# Altium PCB DAC_Sources.PcbDoc (part 4 of 8) (continued)
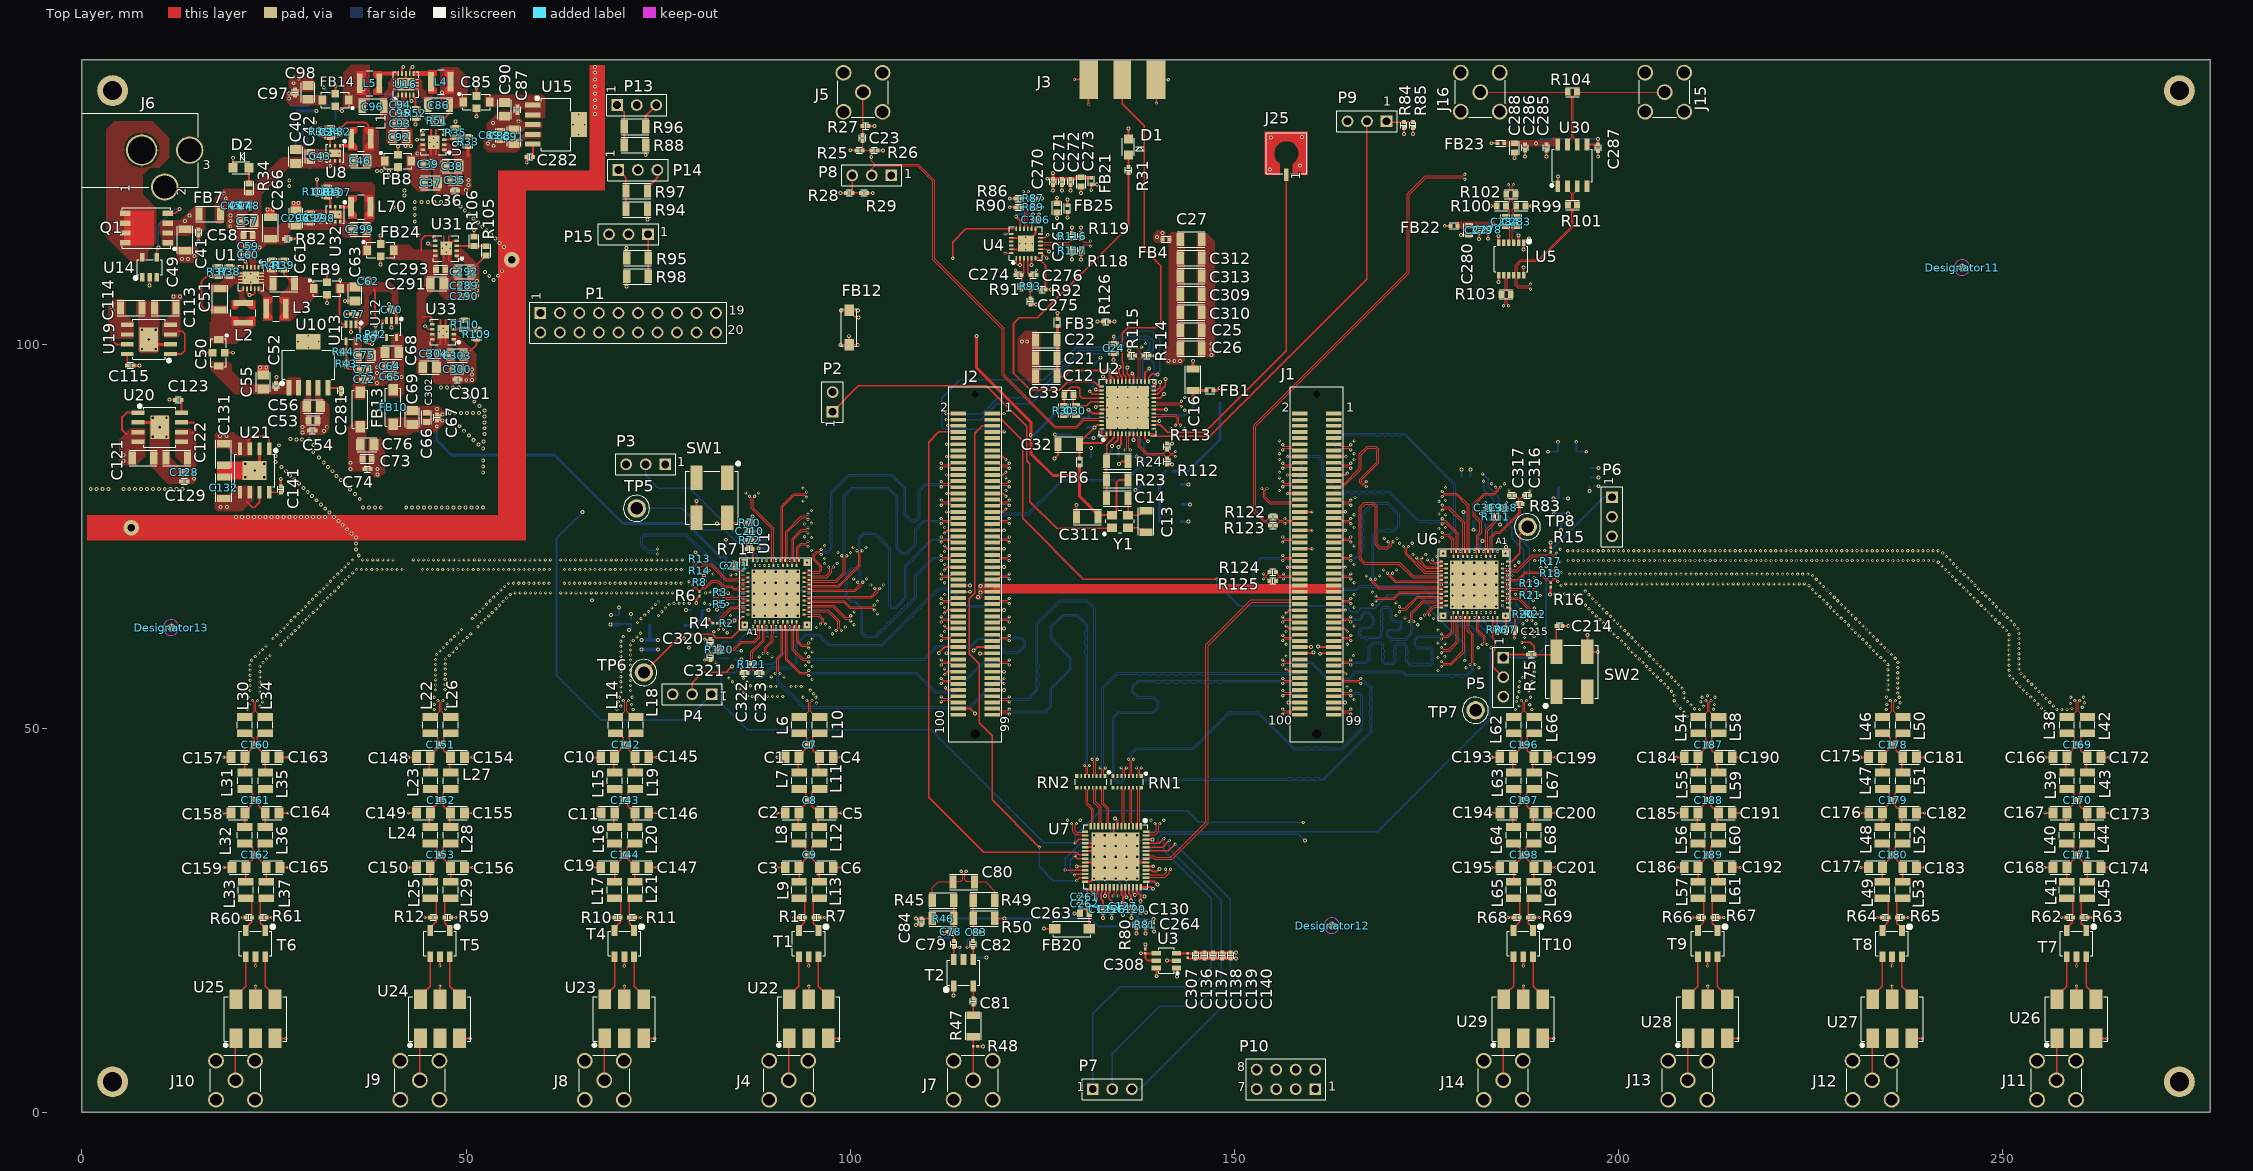
[diagram p0: Top Layer view]
## Nets (pads, with @x,y where several pads share a name; then routed paths per layer and width w, separated by ;. In a path a pad name is that pad's centre, name@x,y a point inside that pad or via, vN(x,y) a via of type N, cw(c..) or ccw(c..) an arc to the next point about the centre after c; other vN are vias at no path point) (continued)
  Bottom Layer w0.381: C105.2@28.01,130.41 28.06,130.36 U17.2@29.41,130.36 v2(30.54,130.36) ; R56.1@32.23,132.56 R56.1@32.23,132.66 ; C314.2@143.03,76.94 v2@144.07,76.94 ; C315.2@143.03,81.74 v2@144.07,81.74 ; C29.2@143.19,79.14 v2@144.23,79.14
  Bottom Layer w0.508: v2(72.82,60.27) C205.2@73.9,60.27 v2(74.98,60.27)
  other v1: 128.288,38.04 129.948,38.04 139.152,38.04 140.812,38.04 256.451,51.259 208.911,51.554 255.984,51.726 208.539,52.1 255.517,52.193 21.58,52.46 45.87,52.46 69.648,52.46 71.774,52.46 186.579,52.46 188.712,52.46 210.548,52.46 234.843,52.46 257.048,52.459 257.709,52.46 258.369,52.46 212.35,52.478 47.319,52.536 209.893,52.544 208.072,52.567 259.016,52.593 255.05,52.66 236.35,52.722 260.35,52.736 23.192,52.875 70.147,52.892 211.052,52.887 187.052,52.921 256.581,52.926 209.426,53.011 207.605,53.034 188.437,53.061 21.776,53.09 71.555,53.083 45.873,53.12 212.498,53.122 234.908,53.117 254.583,53.126 47.512,53.167 258.814,53.222 95.62,53.279 236.636,53.318 260.64,53.329 256.114,53.393 23.526,53.445 69.81,53.46 208.959,53.478 210.716,53.456 186.71,53.486 207.246,53.588 254.116,53.593 165.587,53.737 255.647,53.86 208.511,53.963 21.713,54.034 23.372,54.034 45.839,54.034 47.499,54.034 69.966,54.034 71.626,54.034 93.871,54.034 95.531,54.034 186.871,54.034 188.531,54.034 210.871,54.034 212.531,54.034 234.871,54.034 236.531,54.034 258.871,54.034 260.531,54.034 253.649,54.06 87.256,54.159 87.916,54.159 88.576,54.159 89.237,54.159 89.897,54.159 90.558,54.159 91.218,54.159 86.598,54.22 211.564,54.233 207.24,54.248 255.18,54.327 95.249,54.496 253.182,54.527 236.336,54.589 208.511,54.623 86.109,54.664 23.178,54.719 70.161,54.732 187.065,54.753 254.713,54.794 206.9,54.814 188.336,54.883 71.432,54.918 21.907,54.93 46.034,54.978 235.065,54.973 94.798,54.979 252.715,54.994 47.305,55.055 85.642,55.131 208.273,55.239 236.336,55.25 206.433,55.281 254.246,55.261 23.178,55.379 164.66,55.37 70.161,55.392 87.685,55.43 88.346,55.43 89.006,55.43 89.667,55.43 90.327,55.43 92.308,55.43 92.969,55.43 93.629,55.43 187.065,55.414 252.248,55.461 87.034,55.537 188.336,55.543 71.432,55.578 21.907,55.591 85.175,55.598 46.034,55.638 235.065,55.633 207.806,55.706 47.305,55.716 253.779,55.728 205.966,55.748 236.336,55.91 251.781,55.928 86.567,56.004 23.178,56.039 70.161,56.053 84.708,56.065 188.744,56.063 187.087,56.074 207.339,56.173 253.312,56.195 205.499,56.215 71.432,56.239 21.907,56.251 46.034,56.299 235.065,56.294 95.05,56.36 47.305,56.376 251.314,56.395 86.1,56.471 84.241,56.532 236.336,56.57 187.484,56.601 206.872,56.64 189.025,56.661 252.845,56.662 23.178,56.7 89.73,56.7 91.39,56.7 205.032,56.682 70.161,56.713 71.432,56.899 250.877,56.89 21.907,56.911 46.034,56.959 235.065,56.954 47.305,57.036 206.405,57.107 252.379,57.128 204.565,57.149 187.755,57.204 236.336,57.231 189.025,57.321 23.178,57.36 70.161,57.373 176.51,57.542 71.432,57.559 250.83,57.549 21.907,57.572 205.938,57.574 46.034,57.619 204.098,57.616 235.065,57.614 47.305,57.697 112.293,57.737 252.101,57.728 187.755,57.864 180.17,57.882 181.83,57.882 236.336,57.891 82.84,57.933 189.025,57.981 23.178,58.021 95.05,58.02 70.161,58.034 205.471,58.041 203.631,58.083 94.17,58.15 71.432,58.22 250.83,58.209 21.907,58.232 46.034,58.28 235.058,58.275 47.305,58.357 252.101,58.388 205.004,58.508 82.535,58.518 187.755,58.525 23.579,58.545 203.164,58.55 236.336,58.552 189.025,58.642 70.161,58.694 234.591,58.742 22.1,58.864 71.432,58.88 250.83,58.87 46.034,58.94 204.537,58.975 24.046,59.012 47.353,59.016 202.697,59.017 252.101,59.049 236.007,59.124 176.51,59.202 234.124,59.209 88.162,59.295 89.822,59.295 22.567,59.331 177.39,59.332 70.161,59.355 156.743,59.397 204.07,59.442 165.53,59.45 24.513,59.479 47.82,59.483 202.23,59.484 71.432,59.541 250.83,59.53 46.149,59.59 235.54,59.591 233.657,59.676 252.101,59.709 23.034,59.798 94.17,59.81 203.603,59.909 48.287,59.95 95.05,59.94 201.763,59.951 70.161,60.015 235.073,60.058 46.606,60.067 233.19,60.143 71.432,60.201 250.83,60.19 23.501,60.265 203.136,60.376 252.101,60.369 48.754,60.417 201.296,60.418 181.738,60.477 183.398,60.477 187.755,60.506 47.073,60.534 234.606,60.525 232.723,60.61 70.161,60.675 23.968,60.732 202.669,60.843 71.432,60.861 250.83,60.851 25.914,60.88 49.221,60.884 200.829,60.885 156.743,60.937 164.707,60.937 177.39,60.992 234.139,60.992 47.54,61.001 252.101,61.03 232.256,61.077 176.51,61.122 202.202,61.31 26.381,61.347 49.688,61.351 70.161,61.336 200.362,61.352 71.763,61.433 48.007,61.468 233.672,61.459 250.83,61.511 231.789,61.544 95.05,61.6 24.902,61.666 252.101,61.69 201.735,61.777 26.848,61.814 50.155,61.818 187.755,61.827 199.895,61.819 72.23,61.9 48.474,61.935 70.458,61.925 233.205,61.926 189.025,61.944 231.322,62.011 25.369,62.133 250.83,62.172 201.268,62.244 27.315,62.281 50.622,62.285 199.428,62.286 97.69,62.3 72.697,62.367 252.101,62.351 232.738,62.393 48.941,62.402 84,62.43 187.755,62.487 230.855,62.478 82.24,62.57 112.293,62.597 156.743,62.597 25.836,62.599 189.025,62.604 200.801,62.711 27.782,62.748 250.481,62.732 198.961,62.753 176.51,62.782 49.408,62.869 232.271,62.86 230.388,62.945 251.989,63.001 26.303,63.066 95.64,63.12 97.3,63.12 99.35,63.18 200.334,63.178 250.014,63.199 28.249,63.215 51.556,63.219 198.494,63.22 231.804,63.327 165.587,63.337 229.921,63.412 100.51,63.483 173.87,63.482 251.532,63.478 26.77,63.533 187.56,63.612 189.22,63.612 199.867,63.645 28.716,63.682 52.023,63.686 198.028,63.687 249.547,63.666 72.326,63.793 231.337,63.793 229.455,63.878 251.065,63.945 27.237,64 199.4,64.111 249.08,64.133 29.183,64.149 52.49,64.153 197.561,64.154 50.809,64.269 72.793,64.26 230.87,64.26 174.26,64.302 175.92,64.302 228.988,64.345 172.21,64.362 250.598,64.412 27.704,64.467 198.933,64.578 248.613,64.6 29.65,64.616 52.956,64.619 197.094,64.621 84.433,64.656 171.05,64.665 75.032,64.702 73.26,64.727 230.403,64.727 51.276,64.736 228.521,64.812 250.131,64.879 103.57,64.89 28.171,64.934 198.466,65.045 30.117,65.083 53.423,65.086 248.146,65.067 196.627,65.088 100.51,65.143 75.499,65.169 51.743,65.203 73.727,65.194 229.936,65.194 228.054,65.279 249.664,65.346 164.44,65.38 28.638,65.401 197.999,65.512 247.679,65.534 30.584,65.55 53.89,65.553 196.16,65.555 75.966,65.636 189.03,65.623 52.21,65.67 74.194,65.661 229.469,65.661 112.293,65.737 165.587,65.737 227.587,65.746 249.197,65.813 29.105,65.868 197.532,65.979 247.212,66.001 31.051,66.017 54.357,66.02 195.693,66.022 167.99,66.072 76.433,66.102 81.75,66.088 74.661,66.128 229.002,66.128 52.677,66.137 227.12,66.213 248.73,66.28 77.068,66.283 77.729,66.283 78.389,66.283 79.049,66.283 81.031,66.283 171.05,66.325 29.572,66.335 197.065,66.446 31.518,66.484 246.745,66.468 54.824,66.487 75.05,66.5 195.226,66.489 103.57,66.55 53.144,66.604 228.535,66.595 226.653,66.68 248.263,66.747 30.039,66.802 196.598,66.913 246.278,66.935 31.985,66.951 55.291,66.954 194.759,66.956 228.068,67.062 53.611,67.071 226.186,67.147 247.796,67.214 30.506,67.269 189.81,67.27 112.293,67.397 165.587,67.397 196.131,67.38 32.452,67.418 55.758,67.421 79.03,67.42 194.292,67.423 245.811,67.402 186.579,67.451 187.24,67.451 191.651,67.465 192.312,67.465 192.972,67.465 193.633,67.465 54.078,67.538 227.601,67.529 56.39,67.615 57.05,67.615 57.711,67.615 58.371,67.615 59.031,67.615 59.692,67.615 60.352,67.615 61.013,67.615 62.333,67.615 62.994,67.615 63.654,67.615 64.315,67.615 64.975,67.615 65.635,67.615 66.296,67.615 66.956,67.615 67.617,67.615 68.277,67.615 68.937,67.615 69.598,67.615 70.258,67.615 70.919,67.615 71.579,67.615 72.239,67.615 72.9,67.615 73.56,67.615 74.221,67.615 74.881,67.615 75.541,67.615 76.202,67.615 76.862,67.615 77.523,67.615 78.183,67.615 81.194,67.606 225.719,67.614 247.329,67.681 30.973,67.736 81.75,67.748 167.99,67.732 195.664,67.847 245.344,67.869 32.919,67.885 54.545,68.005 227.134,67.996 225.252,68.081 246.862,68.148 31.44,68.203 244.877,68.336 33.385,68.352 226.667,68.463 55.012,68.472 224.785,68.548 192.53,68.602 246.395,68.615 102.69,68.65 104.35,68.65 31.907,68.67 33.852,68.819 193.134,68.797 193.794,68.797 194.455,68.797 195.115,68.797 195.776,68.797 196.436,68.797 197.096,68.797 197.757,68.797 198.417,68.797 199.078,68.797 199.738,68.797 200.398,68.797 201.059,68.797 201.719,68.797 202.38,68.797 203.04,68.797 203.7,68.797 204.361,68.797 205.021,68.797 205.682,68.797 206.342,68.797 207.002,68.797 207.663,68.797 208.323,68.797 208.984,68.797 209.644,68.797 210.304,68.797 210.965,68.797 211.625,68.797 212.286,68.797 212.946,68.797 213.606,68.797 214.267,68.797 214.927,68.797 215.588,68.797 216.248,68.797 216.908,68.797 217.569,68.797 218.229,68.797 218.89,68.797 219.55,68.797 220.21,68.797 220.871,68.797 221.531,68.797 222.192,68.797 222.852,68.797 223.512,68.797 224.173,68.797 244.41,68.803 55.542,68.866 56.202,68.885 56.863,68.885 57.523,68.885 58.184,68.885 58.844,68.885 59.504,68.885 60.165,68.885 60.825,68.885 62.806,68.885 63.467,68.885 64.127,68.885 64.788,68.885 65.448,68.885 66.108,68.885 66.769,68.885 67.429,68.885 68.09,68.885 68.75,68.885 69.41,68.885 70.071,68.885 70.731,68.885 71.392,68.885 72.052,68.885 72.712,68.885 73.373,68.885 74.033,68.885 74.694,68.885 75.354,68.885 76.014,68.885 76.675,68.885 77.335,68.885 77.996,68.885 112.293,68.937 165.587,68.937 189.81,68.93 226.2,68.93 79.03,69.08 245.928,69.082 32.374,69.137 79.895,69.232 81.185,69.234 243.943,69.27 34.319,69.286 225.733,69.397 100.47,69.44 102.13,69.44 245.461,69.549 32.841,69.604 188.996,69.627 34.786,69.753 243.476,69.737 167.21,69.832 168.87,69.832 225.266,69.864 84.47,69.967 85.13,70.003 244.994,70.016 33.308,70.071 82.165,70.085 193.599,70.067 194.259,70.067 194.92,70.067 195.58,70.067 196.241,70.067 196.901,70.067 197.561,70.067 198.222,70.067 198.882,70.067 199.543,70.067 200.203,70.067 200.863,70.067 201.524,70.067 202.184,70.067 202.845,70.067 203.505,70.067 204.165,70.067 204.826,70.067 205.486,70.067 206.147,70.067 206.807,70.067 207.467,70.067 208.128,70.067 208.788,70.067 209.449,70.067 210.109,70.067 210.769,70.067 211.43,70.067 212.09,70.067 212.751,70.067 213.411,70.067 214.071,70.067 214.732,70.067 215.392,70.067 216.053,70.067 216.713,70.067 217.373,70.067 218.034,70.067 218.694,70.067 219.355,70.067 220.015,70.067 220.675,70.067 221.336,70.067 221.996,70.067 222.657,70.067 223.317,70.067 223.977,70.067 224.638,70.067 243.009,70.204 35.253,70.22 192.53,70.262 79.17,70.46 244.527,70.483 33.775,70.538 81.698,70.552 169.43,70.622 171.09,70.622 81.044,70.641 35.75,70.655 36.411,70.655 37.071,70.655 37.731,70.655 38.392,70.655 39.052,70.655 39.713,70.655 40.373,70.655 41.033,70.655 41.694,70.655 44.335,70.655 44.996,70.655 45.656,70.655 46.317,70.655 46.977,70.655 47.637,70.655 48.298,70.655 48.958,70.655 49.619,70.655 50.279,70.655 50.939,70.655 51.6,70.655 52.26,70.655 52.921,70.655 53.581,70.655 54.241,70.655 54.902,70.655 55.562,70.655 56.223,70.655 56.883,70.655 57.543,70.655 58.204,70.655 58.864,70.655 59.525,70.655 60.185,70.655 60.845,70.655 62.827,70.655 63.487,70.655 64.147,70.655 64.808,70.655 65.468,70.655 66.129,70.655 66.789,70.655 67.449,70.655 68.11,70.655 68.77,70.655 69.431,70.655 70.091,70.655 70.751,70.655 71.412,70.655 72.072,70.655 72.733,70.655 73.393,70.655 74.053,70.655 74.714,70.655 75.374,70.655 76.035,70.655 76.695,70.655 77.355,70.655 78.016,70.655 242.542,70.671 189.875,70.901 244.06,70.95 164.44,70.98 34.242,71.005 186.542,71.149 242.075,71.138 112.293,71.337 165.587,71.337 96.655,71.433 98.315,71.433 243.593,71.417 34.708,71.472 241.608,71.605 187.009,71.616 192.39,71.642 189.088,71.823 189.748,71.823 190.409,71.823 193.441,71.837 194.102,71.837 194.762,71.837 195.423,71.837 196.083,71.837 196.743,71.837 197.404,71.837 198.064,71.837 198.725,71.837 199.385,71.837 200.045,71.837 200.706,71.837 201.366,71.837 202.027,71.837 202.687,71.837 203.347,71.837 204.008,71.837 204.668,71.837 205.329,71.837 205.989,71.837 206.649,71.837 207.31,71.837 207.97,71.837 208.631,71.837 209.291,71.837 209.951,71.837 210.612,71.837 211.272,71.837 211.933,71.837 212.593,71.837 213.253,71.837 213.914,71.837 214.574,71.837 215.235,71.837 215.895,71.837 216.555,71.837 217.216,71.837 217.876,71.837 218.537,71.837 219.197,71.837 219.857,71.837 220.518,71.837 221.178,71.837 221.839,71.837 222.499,71.837 223.159,71.837 223.82,71.837 224.48,71.837 225.141,71.837 225.801,71.837 226.461,71.837 227.122,71.837 227.782,71.837 228.443,71.837 229.103,71.837 229.763,71.837 230.424,71.837 231.084,71.837 231.745,71.837 232.405,71.837 233.065,71.837 233.726,71.837 234.386,71.837 235.047,71.837 235.707,71.837 236.367,71.837 237.028,71.837 237.688,71.837 238.349,71.837 239.009,71.837 239.669,71.837 240.33,71.837 240.99,71.837 35.217,71.893 243.126,71.884 36.537,71.925 37.197,71.925 37.858,71.925 38.518,71.925 39.179,71.925 39.839,71.925 40.499,71.925 43.141,71.925 43.801,71.925 44.462,71.925 45.122,71.925 45.783,71.925 46.443,71.925 47.103,71.925 47.764,71.925 48.424,71.925 49.085,71.925 49.745,71.925 50.405,71.925 51.066,71.925 51.726,71.925 52.387,71.925 53.047,71.925 53.707,71.925 54.368,71.925 55.028,71.925 55.689,71.925 56.349,71.925 57.009,71.925 57.67,71.925 58.33,71.925 58.991,71.925 59.651,71.925 60.311,71.925 60.972,71.925 62.293,71.925 62.953,71.925 63.613,71.925 64.274,71.925 64.934,71.925 65.595,71.925 66.255,71.925 66.915,71.925 67.576,71.925 68.236,71.925 68.897,71.925 69.557,71.925 70.217,71.925 70.878,71.925 71.538,71.925 72.199,71.925 72.859,71.925 73.519,71.925 74.18,71.925 74.84,71.925 75.501,71.925 76.161,71.925 76.821,71.925 77.482,71.925 78.142,71.925 79.17,72.12 96.68,72.12 242.66,72.351 176.29,72.361 173.245,72.615 174.905,72.615 242.193,72.818 98.402,72.899 100.062,72.899 112.293,72.997 193.39,73.107 194.05,73.107 194.711,73.107 195.371,73.107 196.031,73.107 196.692,73.107 197.352,73.107 198.013,73.107 198.673,73.107 199.333,73.107 199.994,73.107 200.654,73.107 201.315,73.107 201.975,73.107 202.635,73.107 203.296,73.107 203.956,73.107 204.617,73.107 205.277,73.107 205.937,73.107 206.598,73.107 207.258,73.107 207.919,73.107 208.579,73.107 209.239,73.107 209.9,73.107 210.56,73.107 211.221,73.107 211.881,73.107 212.541,73.107 213.202,73.107 213.862,73.107 214.523,73.107 215.183,73.107 215.843,73.107 216.504,73.107 217.164,73.107 217.825,73.107 218.485,73.107 219.145,73.107 219.806,73.107 220.466,73.107 221.127,73.107 221.787,73.107 222.447,73.107 223.108,73.107 223.768,73.107 224.429,73.107 225.089,73.107 225.749,73.107 226.41,73.107 227.07,73.107 227.731,73.107 228.391,73.107 229.051,73.107 229.712,73.107 230.372,73.107 231.033,73.107 231.693,73.107 232.353,73.107 233.014,73.107 233.674,73.107 234.335,73.107 234.995,73.107 235.655,73.107 236.316,73.107 236.976,73.107 237.637,73.107 238.297,73.107 238.957,73.107 239.618,73.107 240.278,73.107 240.939,73.107 241.599,73.107 189.071,73.121 189.731,73.121 190.392,73.121 94.95,73.152 192.39,73.302 100.39,73.54 102.05,73.54 165.587,73.737 96.68,73.78 171.498,74.081 173.158,74.081 176.61,74.334 169.51,74.722 171.17,74.722 94.95,74.812 94.07,74.93 164.44,75.78 176.61,75.994 177.49,76.112 112.293,76.137 165.587,76.137 94.07,76.59 94.95,76.708 177.49,77.772 165.587,77.797 176.61,77.89 112.543,78.163 94.95,78.368 176.61,79.55 93.88,79.59 177.49,79.669 165.7,80.06 112.543,80.563 86.42,80.64 88.08,80.64 120.257,80.937 155.863,80.937 93.88,81.25 177.49,81.329 183.48,81.822 185.14,81.822 120.257,82.597 155.863,82.597 112.543,82.963 155.863,83.337 155.863,84.997 165.587,84.997 155.863,85.737 165.587,85.737 155.863,87.397 165.587,87.397 141.83,89 143.49,89 143.54,91.4 143.54,93.06 136.79,100.07 138.45,100.07
  other v2: 129.7,27.16 120.007,54.963 120.007,57.363 120.007,62.97 120.007,65.37 69.895,65.715 120.007,70.97 36.04,72.47 35.67,73.28 120.007,73.37 35.67,74.05 35.67,74.82 35.1,75.36 120.007,75.77 34.53,75.9 33.96,76.44 144.052,76.94 33.39,76.98 20.08,77.5 20.85,77.5 21.62,77.5 22.39,77.5 23.16,77.5 23.93,77.5 24.7,77.5 25.47,77.5 26.24,77.5 27.01,77.5 27.78,77.5 28.55,77.5 29.32,77.5 30.09,77.5 30.86,77.5 31.63,77.5 32.82,77.52 32.25,78.06 31.68,78.6 36.6,78.74 37.37,78.74 38.14,78.74 38.91,78.74 42.22,78.73 42.99,78.73 43.76,78.73 44.53,78.73 45.3,78.73 46.07,78.73 46.84,78.73 47.61,78.73 48.38,78.73 49.15,78.73 49.92,78.73 50.69,78.73 51.46,78.73 52.23,78.73 31.11,79.14 144.212,79.14 30.54,79.68 36.17,79.82 29.97,80.22 35.537,80.504 29.4,80.76 34.88,81.09 1.16,81.12 1.93,81.12 2.7,81.12 3.47,81.12 5.4,81.15 6.17,81.15 6.94,81.15 7.71,81.15 8.48,81.15 9.25,81.15 10.02,81.15 10.79,81.15 11.56,81.15 12.33,81.15 13.1,81.15 28.83,81.3 34.28,81.73 144.052,81.74 28.26,81.84 33.72,82.29 27.69,82.38 33.17,82.86 27.12,82.92 38.49,83.02 52.24,83.29 26.55,83.46 32.6,83.46 38.49,83.74 197.375,83.865 25.98,84 32.05,84.03 52.24,84.06 31.48,84.57 25.22,84.64 52.24,84.83 30.86,85.22 25.21,85.46 30.12,85.97 25.22,86.22 52.24,86.39 25.68,86.84 30.12,86.88 51.62,86.95 52.3,87.32 51,87.54 27.92,87.59 28.66,87.61 29.59,87.6 27.17,87.65 50.38,88.13 52.4,88.28 28.71,88.52 49.76,88.72 52.4,89.05 28.71,89.19 49.14,89.31 52.4,89.82 52.4,90.59 46.93,90.84 47.83,91.04 48.6,91.04 49.37,91.04 50.14,91.04 50.91,91.04 51.68,91.04 52.4,91.36 46.22,91.53 51.77,91.93 51.07,92.55 50.41,93.11 49.79,93.7 46.77,94.33 47.54,94.33 48.31,94.33 49.08,94.33 38.4,94.92 37.93,95.59 38.82,95.6 38.43,96.26 23.17,96.98 24,96.98 38.41,96.99 139.625,98.485 147.03,98.59 147.03,99.32 147.03,100.05 122.34,100.33 123.04,100.33 132.18,102.94 53.6,108.35 53.03,108.87 54.15,108.9 52.46,109.39 54.66,109.49 13.83,111.08 13.06,111.09 14.69,111.46 54.93,112.64 54.36,113.16 181.845,113.695 182.995,113.715 53.83,113.73 188.348,113.768 179.495,114.225 43.8,114.24 53.26,114.25 52.69,114.77 43.332,115.094 19.32,115.29 52.12,115.29 51.55,115.81 43.332,115.944 19.33,116.03 50.98,116.33 19.343,116.749 43.332,116.794 50.41,116.85 49.84,117.37 24.173,117.499 24.85,117.5 43.332,117.644 40.573,117.769 41.25,117.77 49.27,117.89 183.385,117.995 188.655,117.995 27.523,118.359 28.2,118.36 43.332,118.494 44.182,118.494 45.032,118.494 45.882,118.494 46.732,118.494 47.582,118.494 48.432,118.494 27.001,120.603 27,121.28 38.4,122.55 39.02,122.55 154.64,122.71 158.54,123.25 186.475,124.195 187.825,124.415 197.355,124.405 190.615,124.425 154.79,126.9 158.82,126.98 173.235,127.345 53.49,128.79 30.36,128.86 56.83,129 66.78,129.94 66.78,130.84 66.78,131.74 66.78,132.64 66.78,133.54 27.567,133.953 66.78,134.44 28.227,134.593 66.78,135.34 66.78,136.09
  other v3: 89.25,61.86 90.33,61.86 186.19,69.9
  other v4: 86.28,63.468 177.18,64.65 91.755,64.665 93.18,64.665 178.38,65.85 182.655,65.85 87.48,66.09 88.905,66.09 90.33,66.09 91.755,66.09 93.18,66.09 178.38,67.275 179.805,67.275 181.23,67.275 182.655,67.275 88.905,67.515 90.33,67.515 91.755,67.515 179.805,68.7 181.23,68.7 182.655,68.7 88.905,68.94 90.33,68.94 91.755,68.94 93.18,68.94 178.38,70.125 179.805,70.125 181.23,70.125 182.655,70.125 87.48,70.365 88.905,70.365 93.18,70.365 178.38,71.55 184.08,71.55 94.38,71.568 177.18,72.75
  other v5: 131.731,31.871 133.141,31.871 134.551,31.871 135.96,31.871 137.37,31.871 133.141,33.281 134.551,33.281 135.96,33.281 133.141,34.69 134.551,34.69 135.96,34.69 137.37,34.69 131.731,36.1 133.141,36.1 135.96,36.1 137.37,36.1
  other v6: 21.25,82.66 23.73,82.66 21.25,84.44 23.73,84.44 9.25,87.94 11.03,87.94 9.25,90.42 11.03,90.42 7.84,99.37 9.62,99.37 7.84,101.85 9.62,101.85
  other v7: 6.44,76.105 55.95,110.96
IOUT1A_N: L10.1 R2.2 U1.B39 | length 27.3
  Top Layer w0.127: v1(83.5,62.87) 83.284,63.086 83.284,63.314 R2.2@83.65,63.68 83.284,64.046 83.284,64.264 84.624,65.604 85.355,65.604 85.541,65.418 U1.B39@86.68,65.418 ; v1(95.031,53.594) 94.815,53.378 94.815,52.22 95.486,51.549 95.971,51.549 L10.1@96.034,51.486
  SIG_03 w0.102: v1(83.5,62.87) 83.284,62.654 83.284,58.549 86.925,54.909 94.131,54.909 94.681,54.359 94.815,54.225 94.815,53.81 v1(95.031,53.594)
IOUT1A_P: L6.2 R4.2 U1.B38 | length 27.6
  Top Layer w0.127: v1(82.84,62.87) 83.056,63.086 83.056,63.314 R4.2@82.69,63.68 83.056,64.046 83.056,64.359 84.529,65.832 85.312,65.832 85.498,66.018 U1.B38@86.68,66.018 ; L6.2@93.367,51.486 93.431,51.549 93.916,51.549 94.587,52.22 94.587,53.378 v1(94.371,53.594)
  SIG_03 w0.102: v1(82.84,62.87) 83.056,62.654 83.056,58.454 86.83,54.68 94.037,54.68 94.587,54.13 94.587,53.81 v1(94.371,53.594)
IOUT1B_N: L18.1 R5.2 U1.B37 | length 29.5
  Top Layer w0.127: v1(71.127,53.594) 70.911,53.378 70.911,52.22 71.582,51.549 72.066,51.549 L18.1@72.13,51.486 ; v1(82.19,66.588) 82.406,66.804 82.8,66.804 82.996,66.607 82.996,66.501 R5.2@83.06,66.438 83.426,66.804 83.825,66.804 85.355,66.804 85.541,66.618 U1.B37@86.68,66.618
  SIG_03 w0.102: v1(71.127,53.594) 70.911,53.81 70.911,61.318 76.397,66.804 81.974,66.804 v1(82.19,66.588)
IOUT1B_P: L14.2 R3.2 U1.B36 | length 29.8
  Top Layer w0.127: L14.2@69.463,51.486 69.526,51.549 70.011,51.549 70.682,52.22 70.682,53.378 v1(70.466,53.594) ; v1(82.19,67.248) 82.406,67.032 82.8,67.032 82.996,67.229 82.996,67.334 R3.2@83.06,67.398 83.426,67.032 85.12,67.032 85.312,67.032 85.498,67.218 U1.B36@86.68,67.218
  SIG_03 w0.102: v1(70.466,53.594) 70.682,53.81 70.682,61.412 76.302,67.032 81.974,67.032 v1(82.19,67.248)
IOUT1C_N: L26.1 R6.2 U1.B35 | length 53.6
  Top Layer w0.127: v1(47,53.594) 46.784,53.378 46.784,52.22 47.454,51.549 47.939,51.549 L26.1@48.003,51.486 ; v1(79.47,67.92) 79.686,68.136 80.024,68.136 R6.2@80.39,67.77 80.756,68.136 81.166,68.136 82.05,69.02 82.757,69.02 83.435,68.341 84.508,68.341 84.845,68.004 85.355,68.004 85.541,67.818 U1.B35@86.68,67.818
  SIG_03 w0.102: v1(47,53.594) 46.784,53.81 46.784,59.184 55.736,68.136 79.254,68.136 v1(79.47,67.92)
IOUT1C_P: L22.2 R8.2 U1.B34 | length 54
  Top Layer w0.127: L22.2@45.336,51.486 45.399,51.549 45.884,51.549 46.555,52.22 46.555,53.378 v1(46.339,53.594) ; v1(79.47,68.58) 79.686,68.364 80.024,68.364 R8.2@80.39,68.73 80.756,68.364 81.071,68.364 81.955,69.249 82.851,69.249 83.53,68.57 84.602,68.57 84.94,68.232 85.312,68.232 85.498,68.418 U1.B34@86.68,68.418
  SIG_03 w0.102: v1(46.339,53.594) 46.555,53.81 46.555,59.278 55.509,68.232 55.641,68.364 79.254,68.364 v1(79.47,68.58)
IOUT1D_N: L34.1 R14.2 U1.B33 | length 78.6
  Top Layer w0.127: v1(22.873,53.594) 22.657,53.378 22.657,52.22 23.328,51.549 23.812,51.549 L34.1@23.876,51.486 ; v1(79.61,70.96) 79.826,71.176 80.024,71.176 80.273,70.927 80.293,70.927 80.39,70.83 R14.2@80.39,70.81 80.754,71.174 ; 80.753,71.176 81.831,71.176 83.803,69.204 85.355,69.204 85.541,69.018 U1.B33@86.68,69.018
  SIG_03 w0.102: v1(22.873,53.594) 22.657,53.81 22.657,58.36 35.473,71.176 79.394,71.176 v1(79.61,70.96)
IOUT1D_P: L30.2 R13.2 U1.B32 | length 78.9
  Top Layer w0.127: L30.2@21.209,51.486 21.273,51.549 21.757,51.549 22.428,52.22 22.428,53.378 v1(22.212,53.594) ; v1(79.61,71.62) 79.826,71.404 80.024,71.404 80.273,71.654 80.293,71.654 80.39,71.75 R13.2@80.39,71.77 80.756,71.404 81.926,71.404 83.898,69.432 85.312,69.432 85.498,69.618 U1.B32@86.68,69.618
  SIG_03 w0.102: v1(22.212,53.594) 22.428,53.81 22.428,58.455 33.406,69.432 34.492,70.519 35.378,71.404 79.394,71.404 v1(79.61,71.62)
IOUT2A_N: L42.1 R17.2 U6.B38 | length 92.9
  Top Layer w0.127: U6.B38@184.88,70.2 185.88,70.2 186.066,70.386 186.859,70.386 188.831,72.358 190.804,72.358 R17.2@191.17,71.992 191.234,72.055 191.234,72.251 191.34,72.358 191.734,72.358 v1(191.95,72.142) ; v1(260.031,53.594) 259.815,53.378 259.815,52.22 260.486,51.549 L42.1@260.971,51.549
  SIG_03 w0.102: v1(191.95,72.142) 192.166,72.358 241.592,72.358 251.351,62.599 251.351,57.095 257.015,51.431 258.915,51.431 259.815,52.332 259.815,53.378 v1(260.031,53.594)
IOUT2A_P: L38.2 R15.2 U6.B39 | length 92.6
  Top Layer w0.127: U6.B39@184.88,70.8 185.88,70.8 186.066,70.614 186.764,70.614 188.736,72.586 190.804,72.586 R15.2@191.17,72.952 191.234,72.889 191.234,72.693 191.34,72.586 191.734,72.586 v1(191.95,72.802) ; L38.2@258.431,51.549 258.916,51.549 259.587,52.22 259.587,53.378 v1(259.371,53.594)
  SIG_03 w0.102: v1(191.95,72.802) 192.166,72.586 241.687,72.586 251.58,62.693 251.58,57.19 257.11,51.66 258.82,51.66 259.587,52.427 259.587,53.378 v1(259.371,53.594)
IOUT2B_N: L50.1 R18.2 U6.B37 | length 64.8
  Top Layer w0.127: U6.B37@184.88,69.6 185.88,69.6 186.066,69.414 186.874,69.414 187.85,70.39 189.756,70.39 190.6,69.546 190.804,69.546 R18.2@191.17,69.912 191.234,69.848 191.234,69.763 191.45,69.546 191.874,69.546 v1(192.09,69.762) ; v1(236.031,53.594) 235.815,53.378 235.815,52.22 236.486,51.549 L50.1@236.971,51.549
  SIG_03 w0.102: v1(192.09,69.762) 192.306,69.546 224.847,69.546 235.815,58.578 235.815,53.81 v1(236.031,53.594)
IOUT2B_P: L46.2 R16.2 U6.B36 | length 64.4
  Top Layer w0.127: U6.B36@184.88,69 185.88,69 186.066,69.186 186.969,69.186 187.945,70.161 189.662,70.161 190.505,69.318 190.804,69.318 R16.2@191.17,68.952 191.234,69.015 191.234,69.101 191.45,69.318 191.874,69.318 v1(192.09,69.102) ; L46.2@234.431,51.549 234.916,51.549 235.587,52.22 235.587,53.378 v1(235.371,53.594)
  SIG_03 w0.102: v1(192.09,69.102) 192.306,69.318 224.752,69.318 235.587,58.483 235.587,53.81 v1(235.371,53.594)
IOUT2C_N: L58.1 R21.2 U6.B34 | length 39.4
  Top Layer w0.127: U6.B34@184.88,67.8 185.88,67.8 186.066,67.986 188.134,67.986 R21.2@188.5,67.62 188.564,67.683 188.564,67.739 188.81,67.986 189.154,67.986 v1(189.37,67.77) ; v1(212.031,53.594) 211.815,53.378 211.815,52.22 212.486,51.549 L58.1@212.971,51.549
  SIG_03 w0.102: v1(189.37,67.77) 189.586,67.986 194.466,67.986 207.761,54.69 207.761,53.615 209.735,51.641 210.965,51.641 211.815,52.492 211.815,53.378 v1(212.031,53.594)
IOUT2C_P: L54.2 R19.2 U6.B35 | length 39
  Top Layer w0.127: U6.B35@184.88,68.4 185.88,68.4 186.066,68.214 188.134,68.214 R19.2@188.5,68.58 188.564,68.516 188.564,68.461 188.81,68.214 189.154,68.214 v1(189.37,68.43) ; L54.2@210.431,51.549 210.916,51.549 211.587,52.22 211.587,53.378 v1(211.371,53.594)
  SIG_03 w0.102: v1(189.37,68.43) 189.586,68.214 194.56,68.214 207.99,54.785 207.99,53.71 209.83,51.87 210.87,51.87 211.587,52.587 211.587,53.378 v1(211.371,53.594)